# Altium PCB cheriot-test.PcbDoc (part 8 of 10) (continued)
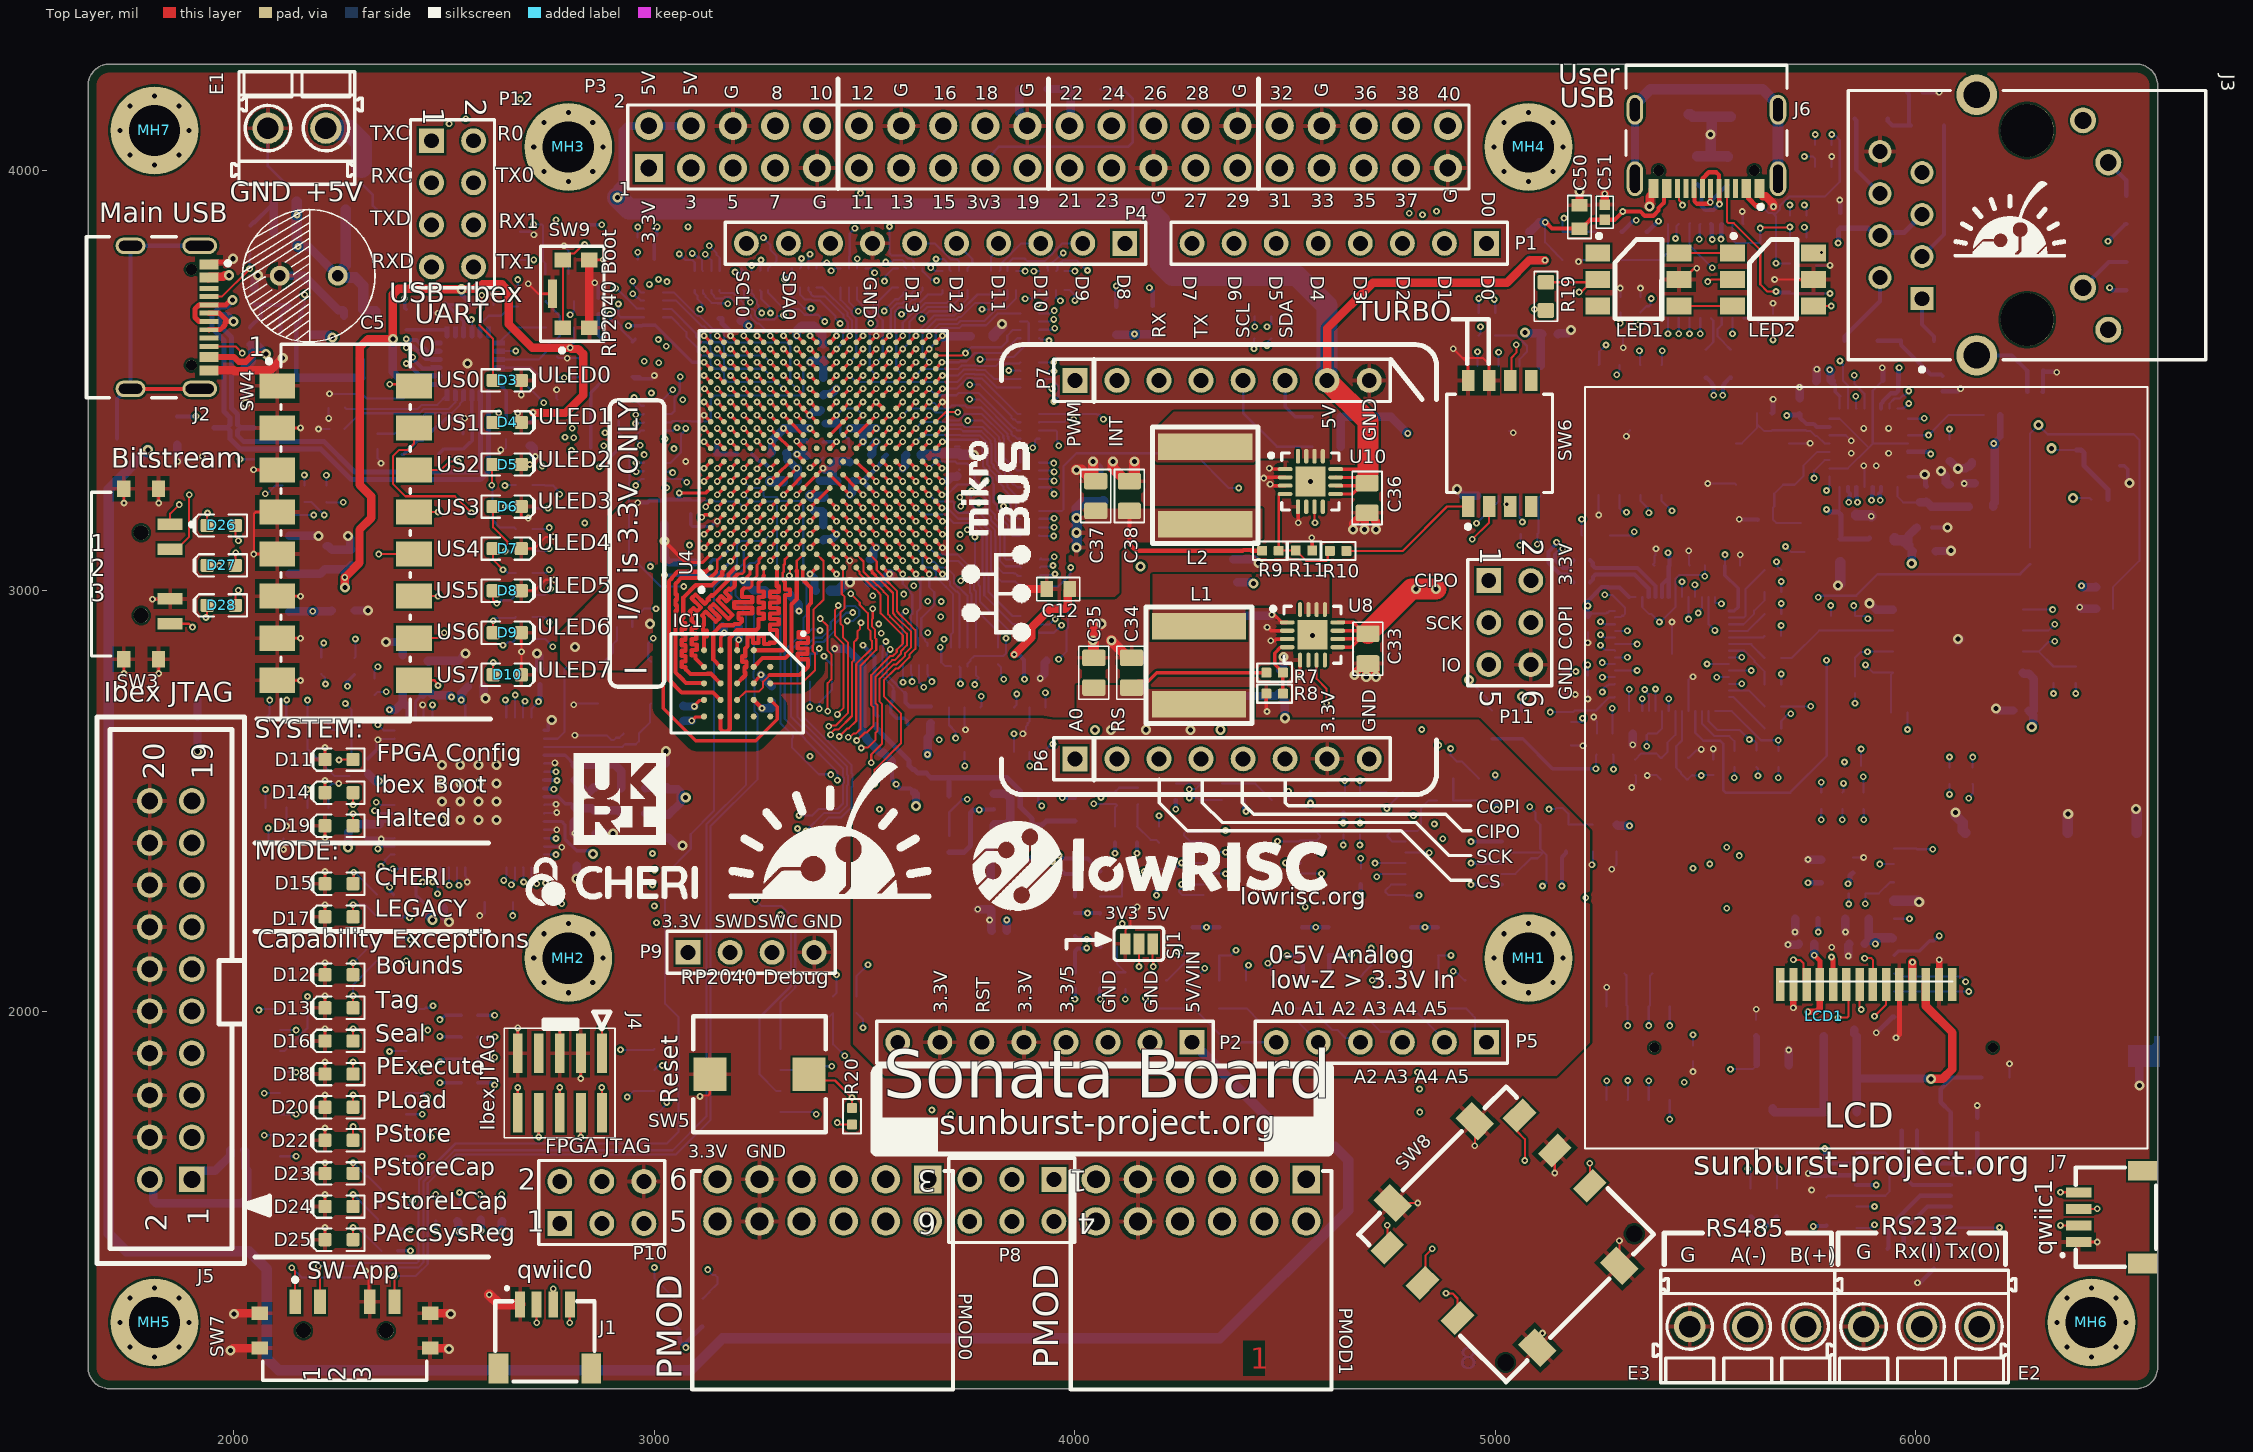
[diagram p0: Top Layer view]
## Nets (pads, with @x,y where several pads share a name; then routed paths per layer and width w, separated by ;. In a path a pad name is that pad's centre, name@x,y a point inside that pad or via, vN(x,y) a via of type N, cw(c..) or ccw(c..) an arc to the next point about the centre after c; other vN are vias at no path point) (continued)
RP2040_PREQ: R171.2 U11.8 | length 1964
  Int1 (Sign) w5: v1(3830.71,2789.5) 3846.51,2773.7 4446.3,2773.7 4471.39,2748.61 4503.76,2748.61 4523.76,2728.61 4572.83,2728.61 4592,2747.78 4747.22,2747.78 v1(4825,2670)
  Int3 (Sign) w5: v1(4825,2670) 4881.76,2726.76 5185.26,2726.76 5204.5,2746 5204.5,2748.68 5234.56,2778.75 5273.08,2778.75 5335.83,2841.49 v1(5585.56,2841.49)
  Bottom Layer w5: R171.2@3817.15,2825.32 3824.1,2818.37 3824.1,2799.09 3830.71,2792.48 v1(3830.71,2789.5) ; U11.8@5555.83,2841.49 v1(5585.56,2841.49)
RP2040_RGBLED0: R210.2 U11.18 | length 1457.6
  Int4 (Sign) w6: v1(5767.72,2984.25) 5751.97,2968.5 5751.97,2870.08 v1(5787.4,2834.65)
  Bottom Layer w6: U11.18@5475.12,2713.54 5475.12,2662.68 5494.3,2643.5 5534.09,2643.5 5541.3,2636.29 5541.3,2525.63 5547.24,2519.68 5700.79,2519.68 5788,2606.9 5788,2834.05 v1(5787.4,2834.65) ; v1@5767.72,2988.19 5858.09,2988.19 5909.27,3039.37 6248.03,3039.37 R210.2@6271.65,3062.99
RP2040_RX: R68.1 U4.M17 | length 3273.9
  Top Layer w8: U4.M17@3480.32,3559.06 v1(3496.06,3574.8)
  Int4 (Sign) w5: v1(3496.06,3574.8) 3511.56,3559.3 3596.48,3559.3 3606.55,3549.23 3606.55,3347.91 3623.75,3330.71 3665.35,3330.71 3689.22,3306.84 3690.26,3306.84 3728.35,3268.75 3728.35,3240.36 3725.86,3237.87 v1(3725.86,3222.36) ; v1(3682.23,2974.33) 3797.74,2974.33 3849.17,2922.91 3882.95,2922.91 3920,2885.86 3920,2850 3933.16,2836.84 3936.17,2836.84 3962.82,2810.19 3962.82,2807.18 3963.54,2806.46 4220.83,2806.46 4234.38,2820 4509.95,2820 4520.73,2830.78 4550.14,2830.78 4560.91,2820 4630,2820 4645.85,2804.15 4645.85,2791.14 4657.28,2779.71 4670.29,2779.71 4910,2540 5140,2540 5227.94,2452.06 5275.92,2452.06 5302.54,2425.44 5514.56,2425.44 v1(5550,2390)
  Int6 (Sign) w5: v1(3682.23,2974.33) 3703.91,2996 3703.91,3021.1 3721.93,3039.12 3728.26,3039.12 3790.36,3101.22 3790.36,3149.38 3764.45,3175.29 ; v1(3725.86,3222.36) 3728.84,3222.36 3735.1,3216.09 3735.65,3216.09 3735.65,3215.4 3744.09,3206.96 3744.09,3194.52 3758.09,3180.52 3759.18,3180.52 3764.41,3175.29 ; v1(5550,2390) 5570,2410 5570,2430 5650,2510 5650,2532.36 v1(5672.83,2555.19)
  Bottom Layer w5: v1(5672.83,2555.19) 5672.83,2562.15 R68.1@5672.83,2580
RP2040_SPARE: R69.1 U4.P4 | length 2816.6
  Top Layer w8: U4.P4@3543.31,3149.61 v1(3559.06,3133.86)
  Int4 (Sign) w5: v1(3650,2900) 3651.9,2898.1 3680.22,2898.1 3682.14,2900.02 3686.86,2900.02 3686.97,2900.13 3776.23,2900.13 3778.42,2902.32 3867.68,2902.32 3900,2870 3900,2840 3923.16,2816.84 3927.89,2816.84 3942.82,2801.9 3942.82,2797.18 3953.54,2786.46 4229.12,2786.46 4242.66,2800 4518.24,2800 4529.01,2810.78 4541.85,2810.78 4552.63,2800 4621.72,2800 4625.85,2795.86 4625.85,2782.85 4648.99,2759.71 4662,2759.71 5021.72,2400 5460,2400 v1(5510,2350)
  Int6 (Sign) w5: v1(3559.06,3133.86) 3543.56,3118.36 3514.49,3118.36 3511.56,3115.43 3511.56,3034.02 3502.8,3025.25 3502.8,2982.99 3513.15,2972.64 3531.3,2972.64 3555,2948.94 3555,2945 3600,2900 v1(3650,2900) ; v1(5510,2350) 5510,2400 5624.6,2514.6 v1(5624.6,2559.91)
  Bottom Layer w5: R69.1@5620.51,2580.63 5624.6,2576.54 v1(5624.6,2559.91)
RP2040_SW0: SW3.1 U11.41 | length 5499.9
  Top Layer w5: SW3.1@1848.43,3157.48 1848.43,3183.07 v1(1870.08,3204.72)
  Int3 (Sign) w5: v1(1870.08,3204.72) 1870.08,3244.09 1929.38,3303.4 1954.61,3303.4 2234.07,3582.86 2242.33,3582.86 2253.75,3594.29 2253.75,3602.54 2358.27,3707.06 2358.27,4129.92 2397.64,4169.29 2586.61,4169.29 2622.05,4204.72 2743.37,4204.72 2743.68,4205.04 2760.25,4205.04 2760.57,4204.72 4897.64,4204.72 4952.76,4149.61 4952.76,3913.39 4913.39,3874.02 4846.46,3874.02 v1(4826.77,3893.7)
  Int6 (Sign) w5: v1(4826.77,3893.7) 4826.77,3864.54 4832.83,3858.47 4832.83,3781.34 4875.83,3738.35 5001.81,3738.35 5260.5,3479.66 5260.5,3187.42 5261.5,3186.42 5261.5,3173.58 5260.5,3172.58 5260.5,2990.5 v1(5260,2990)
  Bottom Layer w5: v1(5260,2990) 5277.18,2990 5308.41,2958.77 5308.41,2944.68 5304.01,2940.29 5301.28,2940.29 5298.41,2937.42 5285.61,2937.42 U11.41@5284.17,2935.98
RP2040_SW1: SW3.2 U11.40 | length 5542.9
  Top Layer w5: SW3.2@1848.43,3098.43 1864.17,3098.43 1893.7,3127.95 v1(1893.7,3228.35)
  Int3 (Sign) w5: v1(1893.7,3228.35) 2238.22,3572.86 2246.47,3572.86 2263.75,3590.14 2263.75,3598.4 2377.95,3712.6 2377.95,4123.06 2408.69,4153.79 2531.02,4153.79 2534.77,4157.55 2638.45,4157.55 2642.21,4153.79 2698.7,4153.79 2729.95,4185.04 4901.57,4185.04 4942.76,4143.86 4942.76,3917.53 4911.73,3886.5 4853.49,3886.5 4842.27,3897.72 4842.27,3900.12 4833.19,3909.2 4806.84,3909.2 v1(4795.28,3897.64)
  Int6 (Sign) w5: v1(4795.28,3897.64) 4795.28,3881.89 4822.83,3854.33 4822.83,3818.9 4822.03,3818.09 4822.03,3776.4 4870.08,3728.35 4997.67,3728.35 5230.5,3495.52 5230.5,2997.58 5250,2978.08 v1(5250,2926)
  Bottom Layer w5: v1(5250,2926) 5252.98,2926 5258.75,2920.23 U11.40@5284.17,2920.23
RP2040_SW2: SW3.4 U11.39 | length 5621.8
  Top Layer w5: SW3.4@1848.43,2921.26 1893.7,2921.26 v1(1901.57,2913.39)
  Int3 (Sign) w5: v1(1901.57,2913.39) 1901.57,3204.72 1999.06,3302.21 1999.06,3319.02 2132.55,3452.51 2140.26,3452.51 2393.7,3705.95 2393.7,4114.17 2423.32,4143.79 2535.16,4143.79 2538.92,4147.55 2634.31,4147.55 2638.07,4143.79 2702.85,4143.79 2726,4166.95 4905.51,4166.95 4932.76,4139.7 4932.76,3936.69 4898.06,3902 v1(4859.91,3902)
  Int6 (Sign) w5: v1(4859.91,3902) 4862.18,3902 4872,3892.18 4875.54,3892.18 4917.32,3850.39 4917.32,3787.4 4956.38,3748.35 5005.95,3748.35 5014.14,3740.16 5087.42,3740.16 5230.5,3597.08 5230.5,3549.59 5275.59,3504.5 5275.59,3118.11 5313.91,3079.8 v1(5313.91,2904.48)
  Bottom Layer w5: U11.39@5284.17,2904.48 v1(5313.91,2904.48)
RP2040_TX: R66.1 U4.K18 | length 3659.9
  Top Layer w10: U4.K18@3417.32,3590.55 v1(3433.07,3606.3)
  Int4 (Sign) w5: v1(3433.07,3606.3) 3448.57,3590.8 3448.57,3474.39 3458.39,3464.57 3533.73,3464.57 3543.31,3454.99 3543.31,3283.46 3550.93,3275.84 3704.48,3275.84 3712.85,3267.47 3712.85,3231.27 3710.36,3228.78 3710.36,3215.94 3725.51,3200.79 v1(3728.35,3200.79) ; v1(3650,2975) 3671.5,2953.5 3804.43,2953.5 3845.02,2912.91 3878.81,2912.91 3910,2881.72 3910,2845.86 3929.02,2826.84 3932.03,2826.84 3952.82,2806.04 3952.82,2803.04 3959.4,2796.46 4224.98,2796.46 4238.52,2810 4514.1,2810 4524.87,2820.78 4546,2820.78 4556.77,2810 4625.86,2810 4635.85,2800 4635.85,2786.99 4653.14,2769.71 4666.15,2769.71 5025.86,2410 5464.14,2410 5504.14,2370 v1(5580,2370)
  Int6 (Sign) w5: v1(3650,2975) 3693.91,3018.91 3693.91,3025.24 3717.78,3049.12 3724.12,3049.12 3780.36,3105.36 3780.36,3145.24 3760.31,3165.29 ; v1(3728.35,3200.79) 3728.35,3197.81 3734.09,3192.06 3734.09,3190.38 3753.95,3170.52 3755.04,3170.52 3760.27,3165.29 ; v1(5580,2370) 5580,2420 5702.22,2542.22 v1(5702.22,2707.13)
  Bottom Layer w5: R66.1@5679.69,2672.32 5679.69,2690.16 5694.55,2705.03 5700.11,2705.03 v1(5702.22,2707.13)
RP_N: R58.2 U11.46 | length 183.9
  Bottom Layer w10: R58.2@5225,3020 5231.81,3026.81 5231.81,3032.3 5237.67,3038.16 5330.98,3038.16 5364.63,3004.51 5364.63,2985.19 U11.46@5364.88,2985.19
RP_P: R56.2 U11.47 | length 210.4
  Bottom Layer w10: R56.2@5224.69,3072.32 5231.5,3065.51 5231.5,3060.02 5237.35,3054.16 5337.61,3054.16 5380.63,3011.13 U11.47@5380.63,2985.19
RPH_G0: P3.27 R179.4B | length 568.2
  Int4 (Sign) w5: v1(3950.77,3665.99) 4028.41,3665.99 4082.93,3720.51 4082.93,3730.83 4092,3739.91 4102.33,3739.91 4287.01,3924.59 P3.27@4287.01,4005.12
  Bottom Layer w5: R179.4B@3915.28,3659.37 3941.17,3659.37 3947.79,3665.99 v1(3950.77,3665.99)
RPH_G1: P3.28 R183.4B | length 770.6
  Int4 (Sign) w5: v1(3950,3543) 4124.56,3717.56 4124.56,3748 4297.01,3920.45 4297.01,3943.4 4327.97,3974.37 4327.97,4064.15 P3.28@4287.01,4105.12
  Bottom Layer w5: R183.4B@3915.28,3542.35 3915.6,3542.68 3949.68,3542.68 v1(3950,3543)
RPH_G2_SDA: P3.3 R175.3B R206.1 | length 1392
  Int1 (Sign) w6: v1(3350,3790) 3350,3736.61 3366.44,3720.18 3677.06,3720.18 3688.36,3731.47 4056.55,3731.47 4063.61,3724.41 v1(4098.43,3724.41)
  Int6 (Sign) w5: P3.3@3087.01,4005.12 3134.95,4053.06 3230.02,4053.06 3232.94,4050.13 3232.94,3942.74 3238.19,3937.5 3270.56,3937.5 3285.5,3922.56 3285.5,3922.24 3358.27,3849.47 3358.27,3813.85 3350,3805.59 v1(3350,3790)
  Bottom Layer w5: R175.3B@3346.46,3766.36 3348.23,3768.13 3348.23,3788.23 v1(3350,3790)
  Bottom Layer w10: R206.1@4098.43,3675.2 v1(4098.43,3724.41)
RPH_G3_SCL: P3.5 R175.4B R207.1 | length 1337.6
  Int1 (Sign) w6: v1(3309.54,3740.26) 3309.54,3718.02 3318.38,3709.18 3681.62,3709.18 3692.91,3720.47 4051.99,3720.47 4064.06,3708.41 4105.05,3708.41 4117.12,3720.47 v1(4177.17,3720.47)
  Int6 (Sign) w5: P3.5@3187.01,4005.12 3187.01,3948.82 3208.33,3927.5 3266.42,3927.5 3275.5,3918.42 3275.5,3916.63 3275.59,3916.54 3275.59,3837.81 3275.59,3807.09 3277.06,3805.62 3309.07,3773.61 3309.07,3740.73 v1(3309.54,3740.26)
  Bottom Layer w5: v1(3309.54,3740.26) 3309.54,3742.24 3326.77,3759.47 R175.4B@3326.77,3766.36
  Bottom Layer w10: v1(4177.17,3720.47) 4185.04,3712.6 R207.1@4185.04,3677.17
RPH_G4: P3.7 R177.1B | length 453.1
  Int6 (Sign) w5: P3.7@3287.01,4005.12 3378.27,3913.86 3378.27,3814.09 3385.5,3806.86 3385.5,3773.29 3413.79,3745 3512.61,3745 3523.51,3755.91 v1(3523.62,3755.91)
  Bottom Layer w5: R177.1B@3501.84,3766.36 3513.17,3766.36 v1(3523.62,3755.91)
RPH_G5: P3.29 R181.1B | length 965.2
  Int4 (Sign) w5: v1(3900,3340) 3901.36,3341.36 3901.36,3355.5 3961.38,3415.52 3961.38,3422.54 3982.18,3443.33 3989.19,3443.33 3998.83,3452.97 4048.64,3452.97 4049,3453.33 4086.69,3453.33 4087.05,3452.97 4105.34,3452.97 4162.97,3510.61 4162.97,3515.34 4325.77,3678.13 4325.77,3943.88 P3.29@4387.01,4005.12
  Bottom Layer w5: v1(3900,3340) 3900,3342.98 3904.98,3347.96 3904.98,3357.84 3908.39,3361.24 R181.1B@3915.28,3361.24
RPH_G6: P3.31 R181.2B | length 1214.8
  Int4 (Sign) w5: v1(3961.44,3344.58) 3961.44,3346.61 3971.38,3356.55 3971.38,3411.38 3971.38,3418.39 3986.32,3433.33 3993.33,3433.33 4002.97,3442.97 4052.78,3442.97 4053.14,3443.33 4082.55,3443.33 4082.91,3442.97 4395.34,3442.97 4452.97,3500.61 4452.97,3519.48 4515.77,3582.27 4515.77,3975.95 4487.01,4004.71 P3.31@4487.01,4005.12
  Bottom Layer w5: v1(3961.44,3344.58) 3959.33,3346.68 3959.33,3354.37 3957.33,3356.37 3957.33,3378.03 3954.4,3380.96 R181.2B@3915.31,3380.96 ; R181.2B@3915.28,3380.93 R181.2B@3915.31,3380.96
RPH_G8_CE0: P3.24 R183.2B | length 1212.3
  Int4 (Sign) w5: v1(3950,3450) 3948.58,3450 3885.85,3512.73 3885.85,3514.24 3820,3580.09 3820,3613.05 3807.27,3625.78 3807.27,3641.94 3820,3654.66 3820,3670.93 3758.31,3732.62 3758.31,3838.78 3746.04,3851.05 3746.04,4050.94 3753.23,4058.13 3808.07,4058.13 3834,4084.05 3834,4126.09 3853.99,4146.08 4046.04,4146.08 P3.24@4087.01,4105.12
  Bottom Layer w5: R183.2B@3915.28,3502.98 3944.44,3502.98 3961,3486.42 3961,3461 v1(3950,3450)
RPH_G8_CE1: P3.26 R183.3B | length 1022.5
  Int4 (Sign) w5: v1(3950.04,3521.96) 3949.12,3521.96 3895.97,3575.11 3895.97,3606.38 3846,3656.35 3846,3736.45 3778.31,3804.14 3778.31,3910.56 3841.67,3973.93 3841.67,4038.52 3849.23,4046.08 4127.97,4046.08 P3.26@4187.01,4105.12
  Bottom Layer w5: R183.3B@3915.28,3522.67 3915.63,3522.31 3949.69,3522.31 v1(3950.04,3521.96)
RPH_G9_CIPO: P3.21 R179.2B | length 518.4
  Int4 (Sign) w5: v1(3951.93,3624.18) 3929.11,3624.18 3866.03,3687.26 3866.03,3884.14 P3.21@3987.01,4005.12
  Bottom Layer w5: R179.2B@3915.28,3620 3915.78,3620.5 3945.28,3620.5 3948.96,3624.18 v1(3951.93,3624.18)
RPH_G10_COPI: P3.19 R179.1B | length 482.7
  Int4 (Sign) w5: P3.19@3887.01,4005.12 3856,3974.11 3856,3677.33 v1(3938.45,3594.88)
  Bottom Layer w5: R179.1B@3915.28,3600.32 3918.61,3596.98 3936.35,3596.98 v1(3938.45,3594.88)
RPH_G11_SCLK: P3.23 R179.3B | length 465.2
  Int4 (Sign) w5: v1(3949.45,3645.03) 3935.27,3659.21 3935.27,3781.98 3955.77,3802.48 3955.77,3873.88 P3.23@4087.01,4005.12
  Bottom Layer w5: R179.3B@3915.28,3639.69 3941.13,3639.69 3946.47,3645.03 v1(3949.45,3645.03)
RPH_G12: P3.32 R185.1B | length 1962.8
  Int4 (Sign) w5: v1(3950,3130) 3949.57,3130 3897,3182.57 3897,3201.65 3827.02,3271.63 3827.02,3547.68 3810,3564.7 3810,3608.91 3797.27,3621.64 3797.27,3646.08 3810,3658.81 3810,3666.78 3745.86,3730.93 3745.86,3734.44 3681.71,3798.58 3681.71,3926.41 3733.73,3978.43 3733.73,4128.57 3761.25,4156.08 4436.04,4156.08 P3.32@4487.01,4105.12
  Bottom Layer w5: R185.1B@3915.28,3130.62 3915.59,3130.31 3949.69,3130.31 v1(3950,3130)
RPH_G13: P3.33 R181.3B | length 1304.7
  Int4 (Sign) w5: v1(3996.88,3407.83) 3999.86,3407.83 4009.08,3417.05 4013.12,3417.05 4019.03,3422.97 4061.07,3422.97 4061.42,3423.33 4074.27,3423.33 4074.62,3422.97 4475.34,3422.97 4552.97,3500.61 4552.97,3519.48 4715.77,3682.27 4715.77,3876.36 P3.33@4587.01,4005.12
  Bottom Layer w5: R181.3B@3915.28,3400.61 3915.38,3400.72 3974.75,3400.72 3981.38,3407.34 3996.39,3407.34 v1(3996.88,3407.83)
RPH_G16_CE2: P3.36 R185.2B | length 2023.5
  Int4 (Sign) w5: v1(3950.5,3150.99) 3951.42,3150.99 4025.43,3225 4241.2,3225 4275.8,3259.59 4435.02,3259.59 4442.4,3252.22 4443.25,3252.22 4457.74,3237.72 4627.48,3237.72 4808.74,3418.98 4808.74,3579.37 5015.77,3786.4 5015.77,3934.29 4903.98,4046.08 4746.04,4046.08 P3.36@4687.01,4105.12
  Bottom Layer w5: R185.2B@3915.28,3150.31 3915.62,3150.65 3950.16,3150.65 v1(3950.5,3150.99)
RPH_G17: P3.11 R177.2B | length 259.7
  Int6 (Sign) w5: v1(3482.16,3789.36) 3479.18,3789.36 3473.26,3795.28 3473.26,3842.33 3466.94,3848.66 3466.94,3849.99 3461.4,3855.52 3461.4,3964.84 3487.01,3990.44 P3.11@3487.01,4005.12
  Bottom Layer w5: R177.2B@3482.16,3766.36 v1(3482.16,3789.36)
RPH_G18: P3.12 R182.2B | length 532.3
  Int6 (Sign) w5: P3.12@3487.01,4105.12 3540.94,4051.18 3622.05,4051.18 3633.86,4039.37 3633.86,3943.86 3610.79,3920.79 3598.79,3920.79 3559.46,3881.46 3559.46,3866.38 v1(3559.04,3865.96)
  Bottom Layer w5: v1(3559.04,3865.96) 3559.04,3801.84 3564.23,3796.65 3595.13,3796.65 3602.33,3789.46 3610.05,3789.46 3616.07,3783.43 3616.07,3768.59 R182.2B@3618.3,3766.36
RPH_G19_CIPO: P3.35 R181.4B | length 1287
  Int4 (Sign) w5: v1(4067.84,3407.83) 4269.25,3407.83 4272.58,3404.5 4471.01,3404.5 4562.97,3496.47 4562.97,3515.34 4725.77,3678.13 4725.77,3966.36 P3.35@4687.01,4005.12
  Bottom Layer w5: R181.4B@3915.28,3420.3 3987.43,3420.3 3990.46,3423.33 4003.3,3423.33 4006.34,3420.3 4052.05,3420.3 4053.45,3418.89 4056.78,3418.89 v1(4067.84,3407.83)
RPH_G20_COPI: P3.38 R185.3B | length 1653
  Int4 (Sign) w5: v1(3950.5,3171.99) 3884.5,3237.99 3884.5,3352.78 3951.38,3419.67 3951.38,3426.68 3978.04,3453.33 3985.05,3453.33 3994.69,3462.97 4032.63,3462.97 4062.97,3493.31 4062.97,3515.34 4142.37,3594.74 4148.15,3594.74 4157.23,3603.82 4157.23,3609.6 4315.77,3768.13 4315.77,3948.02 4337.97,3970.22 4337.97,4014.02 4376.75,4052.79 4592.62,4052.79 4631.39,4091.57 4631.39,4107.44 4670.04,4146.08 4746.04,4146.08 P3.38@4787.01,4105.12
  Bottom Layer w5: R185.3B@3915.28,3169.99 3916.28,3170.99 3949.5,3170.99 v1(3950.5,3171.99)
RPH_G21_SCLK: P3.40 R185.4B | length 2022.2
  Int4 (Sign) w5: v1(4389.76,3244.09) 4391.64,3242.22 4439.11,3242.22 4486.82,3194.5 4636.42,3194.5 4831.09,3389.17 4831.09,3587.59 5025.77,3782.26 5025.77,3949.94 4887.01,4088.7 P3.40@4887.01,4105.12
  Bottom Layer w5: R185.4B@3915.28,3189.68 3969.51,3189.68 3972.44,3192.61 3972.44,3295.28 4003.94,3326.77 4283.46,3326.77 4366.14,3244.09 v1(4389.76,3244.09)
RPH_G22: P3.15 R177.4B | length 522.1
  Int6 (Sign) w5: v1(3420.21,3760.5) 3420.71,3760 3488.35,3760 3504.56,3776.21 3532.07,3776.21 3535,3773.28 3535,3766.45 3549.77,3751.68 3553.66,3751.68 3557.56,3747.78 3602.11,3747.78 3631.4,3777.06 3631.4,3786.27 3655.77,3810.65 3655.77,3973.88 P3.15@3687.01,4005.12
  Bottom Layer w5: v1(3420.21,3760.5) 3423.18,3760.5 3429.04,3766.36 R177.4B@3442.79,3766.36
RPH_G23: P3.16 R182.3B | length 453
  Int6 (Sign) w5: v1(3549.88,3781.75) 3551.98,3783.86 3563.86,3783.86 3570,3790 3570,3855 3635.47,3920.47 3635.47,3931.33 3643.86,3939.72 3643.86,4061.97 P3.16@3687.01,4105.12
  Bottom Layer w5: v1(3549.88,3781.75) 3550.25,3782.13 3565.38,3782.13 3569.9,3786.65 3589.79,3786.65 3595.21,3781.23 3595.21,3769.76 R182.3B@3598.62,3766.36
RPH_G24: P3.18 R182.4B | length 554.7
  Int6 (Sign) w5: v1(3547.24,3736.18) 3573.54,3736.18 3577.44,3732.28 3600.76,3732.28 3641.4,3772.92 3641.4,3782.13 3673.23,3813.97 3673.23,3917.32 3738.83,3982.93 3738.83,4056.94 P3.18@3787.01,4105.12
  Bottom Layer w5: v1(3547.24,3736.18) 3549.35,3738.28 3549.35,3747.43 3568.28,3766.36 R182.4B@3578.93,3766.36
RPH_G25: P3.22 R183.1B R212.1 R213.2 | length 1042.5
  Int4 (Sign) w5: v1(3945.5,3480) 3944.04,3480 3933.81,3490.23 3930.27,3490.23 3836,3584.5 3836,3615.51 3846.27,3625.78 3846.27,3641.94 3836,3652.21 3836,3669.07 3768.31,3736.76 3768.31,3914.7 3831.67,3978.07 3831.67,4053.15 3834.6,4056.08 3937.97,4056.08 P3.22@3987.01,4105.12
  Bottom Layer w5: R183.1B@3915.28,3483.3 3916.92,3481.65 3943.85,3481.65 v1(3945.5,3480)
  Bottom Layer w20: R213.2@3935.04,4192.91 R212.1@3994.09,4192.91 3990.55,4189.37 3990.55,4108.66 P3.22@3987.01,4105.12
RPH_G26: P3.37 R182.1B | length 1386.4
  Int6 (Sign) w5: v1(3670.92,3737.36) 3672.28,3736 4088.1,3736 4092,3739.91 4104.85,3739.91 4108.75,3736 4698.94,3736 4715.77,3752.83 4715.77,3933.88 P3.37@4787.01,4005.12
  Bottom Layer w5: R182.1B@3637.99,3766.36 3637.99,3759.47 3657.99,3739.47 3668.81,3739.47 v1(3670.92,3737.36)
RPH_G27: P3.13 R177.3B | length 290.3
  Int6 (Sign) w5: v1(3476.9,3861.94) 3476.9,3895.01 P3.13@3587.01,4005.12
  Bottom Layer w5: R177.3B@3462.47,3766.36 3462.47,3793.36 3464.68,3795.57 3464.68,3849.48 v1@3477.02,3861.82
RPH_RXD0: P3.10 R175.1B | length 432.7
  Int6 (Sign) w5: P3.10@3387.01,4105.12 3437.81,4054.31 3437.81,3932.8 3449.22,3921.39 3449.22,3852.58 3456.94,3844.87 3456.94,3844.52 3457.77,3843.68 ; v1(3410,3780) 3449.29,3780 3459.17,3789.87 3460.63,3791.34 3460.63,3795.48 3459.23,3840.31 ccw(c3454.23,3840.15) 3457.79,3843.66
  Bottom Layer w5: R175.1B@3385.83,3766.36 3385.83,3773.25 3389.73,3777.15 3397.15,3777.15 3400,3780 v1(3410,3780)
RPH_TXD0: P3.8 R175.2B | length 425.3
  Int6 (Sign) w5: P3.8@3287.01,4105.12 3287.01,4094.49 3246.04,4053.52 3246.04,3959.33 3252.42,3952.95 3280.75,3952.95 3368.27,3865.44 3368.27,3801.73 v1(3370,3800)
  Bottom Layer w5: R175.2B@3366.14,3766.36 3366.14,3796.14 v1(3370,3800)
SCL0: J1.4 P4.10 R126.2 R170.2B | length 6119.7
  Top Layer w5: v1(2798.82,1259.05) J1.4@2798.82,1302.56
  Int4 (Sign) w5: P4.10@3218.74,3825.98 3230.14,3825.98 3250.62,3805.5 3277.18,3805.5 3297.18,3785.5 3332.58,3785.5 3388.08,3730 3412.14,3730 3456.11,3686.03 3660.39,3686.03 3807.02,3539.4 3807.02,3263.35 3877,3193.37 3877,3140.14 3914,3103.14 3914,3070.78 3945,3039.78 3952.54,3039.78 v1(3952.81,3039.5)
  Int6 (Sign) w5: v1(2798.82,1259.05) 3034.05,1259.05 3143.67,1368.67 ; v1(3126.85,1385.5) 3143.67,1368.67 ; v1(3952.81,3039.5) 3954.02,3038.3 4274.35,3038.3 4275.96,3036.69 4593.31,3036.69 5245,2385 5245,2095 4525,1375 3150,1375 3143.67,1368.67
  Bottom Layer w5: R126.2@3114.53,1316.46 3115.45,1316.46 3130.52,1331.53 3130.52,1332.46 3150,1351.94 3150,1367.12 3144.85,1372.27 3139.08,1372.27 3126.85,1384.5 v1(3126.85,1385.5) ; R170.2B@3916.96,3035 3919.36,3037.4 3950.71,3037.4 v1(3952.81,3039.5)
SCL1: J7.4 R128.2 R170.4B | length 4151.2
  Top Layer w5: v1(6343.93,1569.29) J7.4@6387.44,1569.29
  Int1 (Sign) w5: v1(5675,1625) 5675,1513.98 5738.98,1450 6224.64,1450 v1(6343.93,1569.29)
  Int6 (Sign) w5: v1(3950.73,3080.79) 4064.84,3080.79 4084.42,3100.37 4195.52,3100.37 4199.46,3104.3 4579.84,3104.3 5614.14,2070 6058.07,2070 6343.93,1784.14 v1(6343.93,1569.29)
  Bottom Layer w5: R170.4B@3916.96,3074.37 3919.61,3077.02 3922.26,3074.37 3941.33,3074.37 3947.75,3080.79 v1(3950.73,3080.79) ; R128.2@5670,1578.46 5670,1617.02 5675,1622.02 v1(5675,1625)
SDA0: J1.3 P4.9 R125.2 R170.1B | length 6492.9
  Top Layer w5: J1.3@2759.45,1302.56 v1(2759.45,1339.5)
  Int4 (Sign) w5: P4.9@3318.74,3825.98 3365.94,3825.98 3394.5,3797.42 3394.5,3763.58 3462.05,3696.03 3664.53,3696.03 3817.02,3543.54 3817.02,3267.49 3887,3197.51 3887,3171.08 3987.9,3070.18 3987.9,3057.1 v1(3990,3055)
  Int6 (Sign) w5: v1(2759.45,1339.5) 2759.45,1275.83 2776.56,1258.71 ; v1(3000,1390.5) 2908.35,1390.5 2776.56,1258.71 ; v1(3990,3055) 4085.68,3055 4107.98,3077.3 4268.76,3077.3 4299.37,3046.69 4597.45,3046.69 5255,2389.14 5255,2090.86 4484.14,1320 3200,1320 3120,1240 2795.28,1240 2776.56,1258.71
  Bottom Layer w5: v1(3000,1390.5) 3000,1364.5 3048.03,1316.46 R125.2@3050,1316.46 ; R170.1B@3916.96,3015.32 3941.71,3015.32 3947.02,3010 3960,3010 3989.5,3039.5 3989.5,3054.5 v1(3990,3055)
SDA1: J7.3 R127.2 R170.3B | length 4300.4
  Top Layer w5: J7.3@6387.44,1529.92 v1(6430.95,1529.92)
  Int1 (Sign) w5: v1(5600,1625) 5600,1565.35 5740.35,1425 6326.03,1425 v1(6430.95,1529.92)
  Int6 (Sign) w5: v1(3948.08,3059.96) 3968.47,3059.96 3979.3,3070.79 4087.33,3070.79 4106.91,3090.37 4214.94,3090.37 4218.87,3094.3 4575.7,3094.3 5968.5,1701.5 5968.5,1638.5 6053.21,1553.79 6407.08,1553.79 v1(6430.95,1529.92)
  Bottom Layer w5: R170.3B@3916.96,3054.69 3920.13,3057.85 3945.97,3057.85 v1(3948.08,3059.96) ; v1(5600,1625) 5606.93,1618.07 R127.2@5606.93,1578.46
SELSW0: SW7.1 U4.D3 | length 2792.2
  Top Layer w5: v1(2137.8,1389.76) 2145.67,1381.89 SW7.1@2145.67,1309.06
  Top Layer w8: v1(3212.6,3102.36) U4.D3@3228.35,3118.11
  Bottom Layer w5: v1(2137.8,1389.76) 2161.06,1366.5 2356.39,1366.5 2380.64,1390.75 2439.2,1390.75 2451,1402.55 2451,1595.07 2525.23,1669.29 3043.31,1669.29 3123.86,1749.84 3123.86,2444.36 3218.21,2538.71 3218.21,2944.88 3182.71,2980.38 3182.71,3035.54 3212.6,3065.43 v1(3212.6,3102.36)
SELSW1: SW7.2 U4.F4 | length 2779.2
  Top Layer w5: v1(2200.79,1393.7) 2204.72,1389.76 SW7.2@2204.72,1309.06
  Top Layer w8: v1(3275.59,3133.86) U4.F4@3291.34,3149.61
  Bottom Layer w5: v1(2200.79,1393.7) 2302.78,1393.7 2310.65,1401.57 2435.89,1401.57 2438.82,1404.5 2438.82,1541.39 2441,1543.58 2441,1560.92 2440.24,1561.68 2440.24,1598.45 2527.15,1685.35 3029.68,1685.35 3056.93,1712.6 3056.93,1986.38 3025.64,2017.67 3025.64,2324.83 3086.43,2385.62 3086.43,2421.07 3141.79,2476.44 3141.79,3008.77 3196.6,3063.58 3196.6,3108.29 3206.67,3118.36 3260.09,3118.36 v1(3275.59,3133.86)
SELSW2: SW7.4 U4.F3 | length 2572.9
  Top Layer w5: SW7.4@2381.89,1309.06 v1(2381.89,1370.08)
  Top Layer w8: v1(3275.59,3102.36) U4.F3@3291.34,3118.11
  Bottom Layer w5: v1(2381.89,1370.08) 2432.68,1370.08 2437.52,1374.92 2461,1398.4 2461,1590.93 2529.37,1659.29 3050.98,1659.29 3133.86,1742.17 3133.86,2440.22 3245.5,2551.86 3245.5,2705.81 3238.28,2713.03 3238.28,2790.53 3235.9,2792.92 3235.9,2807.41 3237.27,2808.79 3237.27,2944.72 3192.71,2989.29 3192.71,3031.4 3227.11,3065.81 3239.03,3065.81 v1(3275.59,3102.36)
SER0_RX: P12.2 U4.D18 | length 1035
  Top Layer w8: v1(3212.6,3606.3) U4.D18@3228.35,3590.55
  Int3 (Sign) w5: P12.2@2570,4070 2584.63,4070 2597.07,4057.56 2599.92,4057.56 2742.47,3915.01 2854.31,3915.01 2857.97,3911.35 2893.59,3911.35 2899.93,3905.01 2924.36,3905.01 2934.36,3915.01 3058.77,3915.01 3082.3,3891.49 3152.83,3891.49 3155.76,3888.56 3155.76,3757.78 3150.31,3752.33 3150.31,3749.65 3140.31,3739.65 3134.16,3733.5 3134.16,3672.2 3140.31,3666.05 3166.16,3640.2 3172.82,3640.2 3199.99,3640.2 3208.91,3631.28 3208.91,3622.97 3210.49,3621.38 3210.49,3608.4 v1(3212.6,3606.3)
SER0_TX: P12.4 U4.C17 | length 976.7
  Top Layer w8: v1(3181.1,3574.8) U4.C17@3196.85,3559.06
  Int3 (Sign) w5: P12.4@2570,3970 2657.27,3970 2722.26,3905.01 2764.74,3905.01 2772.11,3897.64 2893.16,3897.64 2895.78,3895.01 2928.51,3895.01 2931.13,3897.64 3001.09,3897.64 3018.22,3880.5 3091.97,3880.5 3145.76,3826.71 3145.76,3761.92 3140.31,3756.47 3140.31,3753.79 3130.31,3743.79 3124.16,3737.65 3124.16,3668.06 3130.31,3661.91 3140.31,3651.91 3140.31,3649.69 3159.83,3630.17 3193.67,3630.17 3196.6,3627.24 3196.6,3590.3 v1(3181.1,3574.8)
SER1_RX: P12.6 U4.G18 | length 1530.1
  Top Layer w6: v1(3307.09,3606.3) U4.G18@3322.83,3590.55
  Int3 (Sign) w5: P12.6@2570,3870 2557.17,3870 2523.62,3903.54 2523.62,4100.38 2527.31,4104.06 2527.31,4121.8 2539.37,4133.86 2541.07,4133.86 2544.76,4137.55 2557.6,4137.55 2561.29,4133.86 2633.86,4133.86 2681.26,4086.46 2681.26,4010.98 2755.23,3937.01 2862.2,3937.01 2879.21,3954.01 3057.8,3954.01 3098.43,3913.39 3165.35,3913.39 3175.76,3902.98 3175.76,3746.82 3154.16,3725.22 3154.16,3680.49 3174.44,3660.2 3220.08,3660.2 3224.86,3655.42 3238.19,3655.42 3259.75,3633.86 3283.39,3633.86 3301.81,3615.44 3301.81,3614.56 3307.09,3609.28 v1(3307.09,3606.3)
SER1_TX: P12.8 U4.E18 | length 1542.5
  Top Layer w8: v1(3244.09,3606.3) U4.E18@3259.84,3590.55
  Int3 (Sign) w5: v1(2511.81,4110.48) 2513.62,4108.67 2513.62,3826.38 P12.8@2570,3770 ; v1(2551.18,4122.05) 2590.55,4122.05 2671.26,4041.34 2671.26,4005.91 2751.97,3925.2 2893.88,3925.2 2904.07,3915.01 2920.22,3915.01 2930.22,3925.01 3071.05,3925.01 3094.58,3901.49 3162.83,3901.49 3165.76,3898.56 3165.76,3753.64 3160.31,3748.19 3160.31,3745.51 3150.31,3735.51 3144.16,3729.36 3144.16,3676.34 3150.31,3670.19 3170.3,3650.2 3215.94,3650.2 3220.72,3645.42 3230.83,3645.42 3239.91,3636.34 3239.91,3626.23 3244.09,3622.05 v1(3244.09,3606.3)
  Int4 (Sign) w5: v1(2511.81,4110.48) 2536.64,4110.48 2548.2,4122.05 v1(2551.18,4122.05)
USB_N: J2.A7 J2.B7 U1.2 U12.19 | length 1414.3
  Top Layer w12: J2.A7@1941.34,3640.16 1916.92,3640.16 1907.7,3649.38 1907.7,3670.3 1916.92,3679.53 J2.B7@1941.34,3679.53 1941.43,3679.62 1981.32,3679.62 1992.99,3691.3 v2(1996.24,3691.3)
  Bottom Layer w12: U1.2@1952.76,3387.4 1983.97,3387.4 ; v2(1996.24,3691.3) 1996.24,3688.05 1990.24,3682.05 1990.24,3681.68 1983.21,3674.65 1966.07,3674.65 1948.49,3657.08 1948.49,3622.92 1976.3,3595.12 1976.3,3426.1 1991,3411.4 1991,3394.43 1983.97,3387.4 ; U12.19@2605,3464.96 2605,3282.57 2586.72,3264.29 2279.32,3264.29 2207.21,3336.41 2015.83,3336.41 1991,3361.24 1991,3380.37 1983.97,3387.4
USB_nSUSPEND: R14.1 SW6.6 U12.17 | length 2928
  Top Layer w5: SW6.6@5038.55,3490.8 5038.55,3554.47 5050,3565.92 5050,3584.8 v1(5049.9,3584.9)
  Int1 (Sign) w5: v1(2736.66,3446.87) 2736.66,3449.84 2730,3456.5 2730,3472.84 2794.66,3537.5 2799.42,3537.5 2875.85,3613.93 3068.7,3613.93 3091.83,3590.8 3187.52,3590.8 3197.1,3600.38 3197.1,3624.37 3208.91,3636.18 3208.91,3636.34 3217.99,3645.42 3218.15,3645.42 3271.41,3698.68 3840.41,3698.68 3851.7,3709.97 4015.17,3709.97 4020.17,3704.97 4052.64,3704.97 4059.71,3697.91 4109.4,3697.91 4116.46,3704.97 4275.84,3704.97 4345.87,3775 4602.36,3775 4889.33,3488.03 4986.69,3488.03 5038.55,3539.89 5038.55,3554.47 5050,3565.92 5050,3584.8 v1(5049.9,3584.9)
  Bottom Layer w5: U12.17@2630.83,3510.32 2674.3,3510.32 R14.1@2730.32,3454.3 2737.2,3447.41 v1(2736.66,3446.87)